# KiCad board RP2040_Fullsize.kicad_pcb (continued)
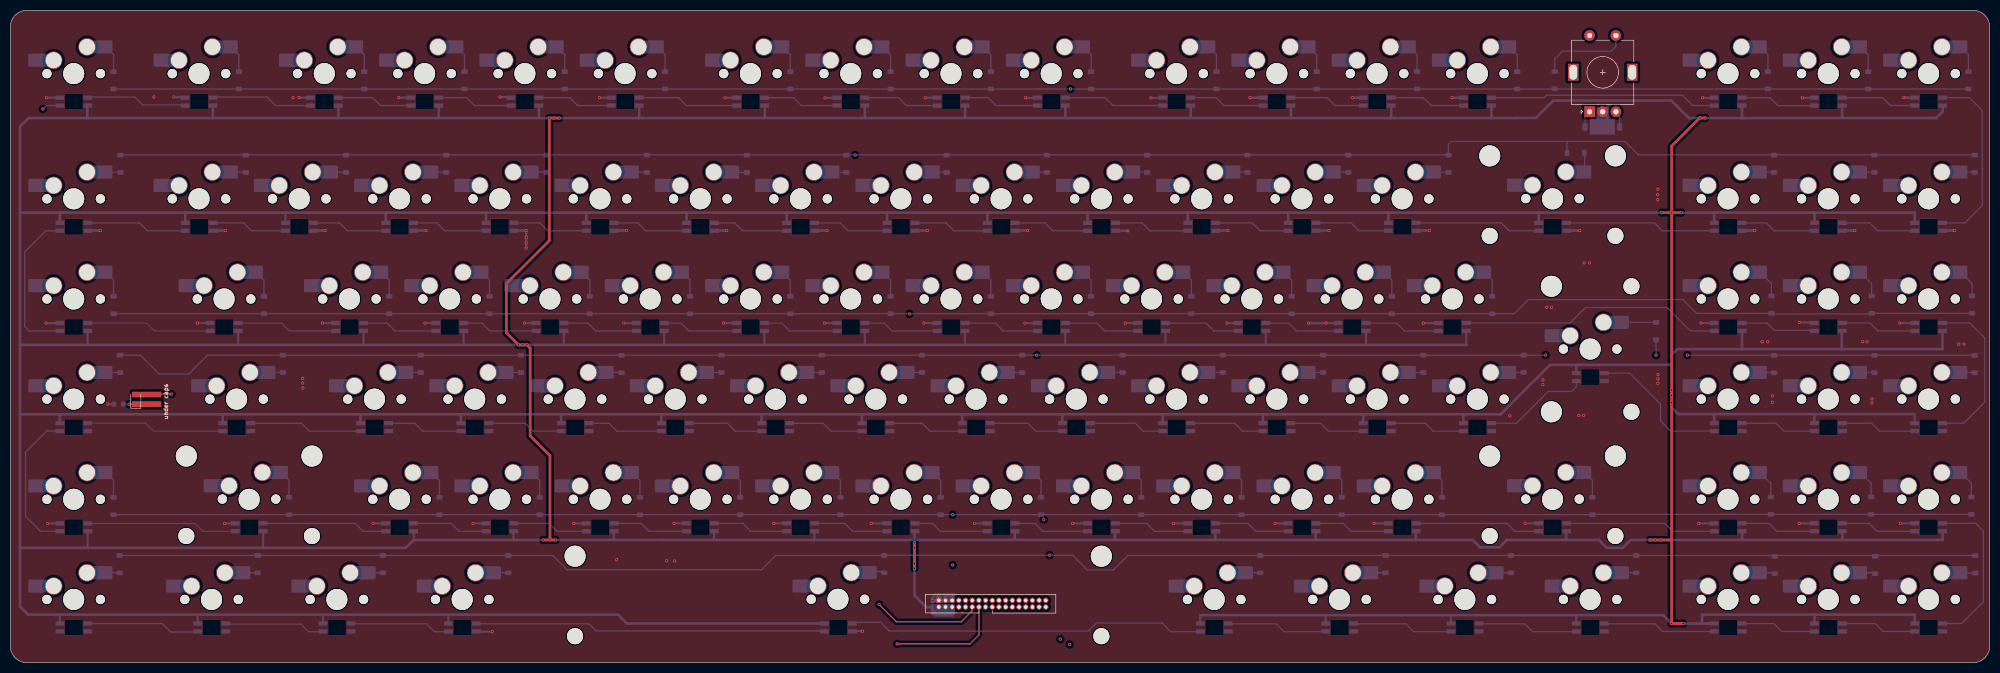
[diagram p0: board, top side]
## Routing (per net, layer and track width the routed paths; a pad name or vN(x,y) marks a point on that pad's centre or on a via; arc(x,y) is an arc through that point) (continued)
Net-(D4-A): length 5.3
  Bottom w0.25: D4.2 86.25,115.6 MX4.2
Net-(D5-A): length 5.3
  Bottom w0.25: MX5.2 105.3,115.6 D5.2
Net-(D6-A): length 5.3
  Bottom w0.25: D6.2 124.35,115.6 MX6.2
Net-(D7-A): length 5.3
  Bottom w0.25: D7.2 148.16,115.6 MX7.2
Net-(D8-A): length 5.3
  Bottom w0.25: MX8.2 167.21,115.6 D8.2
Net-(D9-A): length 5.3
  Bottom w0.25: D9.2 186.26,115.6 MX9.2
Net-(D10-A): length 5.3
  Bottom w0.25: D10.2 205.31,115.6 MX10.2
Net-(D11-A): length 5.3
  Bottom w0.25: MX11.2 229.12,115.6 D11.2
Net-(D12-A): length 5.3
  Bottom w0.25: D12.2 248.18,115.6 MX12.2
Net-(D13-A): length 5.3
  Bottom w0.25: 265.74,117.08 267.22,115.6 D13.2
Net-(D14-A): length 5.3
  Bottom w0.25: D14.2 286.27,115.6 MX14.2
Net-(D15-A): length 5.3
  Bottom w0.25: MX15.2 333.9,115.6 D15.2
Net-(D16-A): length 5.3
  Bottom w0.25: D16.2 352.95,115.6 MX16.2
Net-(D17-A): length 5.3
  Bottom w0.25: MX17.2 372,115.6 D17.2
Net-(D18-A): length 2.7
  Bottom w0.25: MX18.2 20.83,93.27
Net-(D19-A): length 2.7
  Bottom w0.25: MX19.2 44.57,93.27
Net-(D20-A): length 2.7
  Bottom w0.25: MX20.2 63.63,93.27
Net-(D21-A): length 2.7
  Bottom w0.25: MX21.2 82.68,93.27
Net-(D22-A): length 2.7
  Bottom w0.25: MX22.2 101.73,93.27
Net-(D23-A): length 2.7
  Bottom w0.25: MX23.2 120.78,93.27
Net-(D24-A): length 2.8
  Bottom w0.25: MX24.2 137.21,93.21 D24.2
Net-(D25-A): length 2.6
  Bottom w0.25: D25.2 156.26,93.21 MX25.2
Net-(D26-A): length 2.7
  Bottom w0.25: MX26.2 177.93,93.27
Net-(D27-A): length 2.7
  Bottom w0.25: MX27.2 196.98,93.27
Net-(D28-A): length 2.7
  Bottom w0.25: MX28.2 216.03,93.27
Net-(D29-A): length 2.7
  Bottom w0.25: MX29.2 235.08,93.27
Net-(D30-A): length 2.7
  Bottom w0.25: MX30.2 254.18,93.27
Net-(D31-A): length 2.7
  Bottom w0.25: MX31.2 273.18,93.27
Net-(D32-A): length 3.6
  Bottom w0.25: MX32.2 299.07,96.87 D32.2
Net-(D33-A): length 2.7
  Bottom w0.25: MX33.2 335.09,93.27
Net-(D34-A): length 2.7
  Bottom w0.25: MX34.2 354.14,93.27
Net-(D35-A): length 2.7
  Bottom w0.25: MX35.2 373.19,93.27
Net-(D36-A): length 5.3
  Bottom w0.25: MX36.2 19.57,72.73 19.57,69.51
Net-(D37-A): length 5.2
  Bottom w0.25: MX37.2 48.14,72.74 D37.2
Net-(D38-A): length 5.2
  Bottom w0.25: D38.2 71.96,72.74 MX38.2
Net-(D39-A): length 5.2
  Bottom w0.25: D39.2 91.01,72.74 MX39.2
Net-(D40-A): length 5.2
  Bottom w0.25: D40.2 110.06,72.74 MX40.2
Net-(D41-A): length 5.2
  Bottom w0.25: MX41.2 129.11,72.74 D41.2
Net-(D42-A): length 5.2
  Bottom w0.25: MX42.2 148.16,72.74 D42.2
Net-(D43-A): length 5.2
  Bottom w0.25: D43.2 167.21,72.74 MX43.2
Net-(D44-A): length 5.2
  Bottom w0.25: D44.2 186.26,72.74 MX44.2
Net-(D45-A): length 5.2
  Bottom w0.25: MX45.2 205.31,72.74 D45.2
Net-(D46-A): length 5.2
  Bottom w0.25: D46.2 224.36,72.74 MX46.2
Net-(D47-A): length 5.2
  Bottom w0.25: MX47.2 243.41,72.74 D47.2
Net-(D48-A): length 5.2
  Bottom w0.25: D48.2 262.46,72.74 MX48.2
Net-(D49-A): length 5.2
  Bottom w0.25: MX49.2 281.51,72.74 D49.2
Net-(D50-A): length 5.4
  Bottom w0.25: MX50.2 334.55,72.08 334.55,69.7
Net-(D51-A): length 5.5
  Bottom w0.25: MX51.2 353.6,72.08 353.6,69.6
Net-(D52-A): length 5.6
  Bottom w0.25: MX52.2 372.71,72.02 372.71,69.48
Net-(D53-A): length 2.7
  Bottom w0.25: MX53.2 20.78,55.17
Net-(D54-A): length 2.7
  Bottom w0.25: MX54.2 51.74,55.17
Net-(D55-A): length 2.7
  Bottom w0.25: MX55.2 77.93,55.17
Net-(D56-A): length 2.7
  Bottom w0.25: MX56.2 96.98,55.17
Net-(D57-A): length 2.7
  Bottom w0.25: MX57.2 116.03,55.17
Net-(D58-A): length 2.7
  Bottom w0.25: MX58.2 135.08,55.17
Net-(D59-A): length 2.7
  Bottom w0.25: MX59.2 154.13,55.17
Net-(D60-A): length 2.7
  Bottom w0.25: MX60.2 173.18,55.17
Net-(D61-A): length 2.7
  Bottom w0.25: MX61.2 192.23,55.17
Net-(D62-A): length 2.7
  Bottom w0.25: MX62.2 211.28,55.17
Net-(D63-A): length 2.7
  Bottom w0.25: MX63.2 230.33,55.17
Net-(D64-A): length 2.7
  Bottom w0.25: MX64.2 249.38,55.17
Net-(D65-A): length 2.7
  Bottom w0.25: 265.74,55.17 268.43,55.17
Net-(D66-A): length 2.7
  Bottom w0.25: MX66.2 287.48,55.17
Net-(D67-A): length 6.4
  Bottom w0.25: MX67.2 312.63,64.69 D67.2
Net-(D68-A): length 2.7
  Bottom w0.25: MX68.2 335.08,55.17
Net-(D69-A): length 2.7
  Bottom w0.25: MX69.2 354.16,55.17
Net-(D70-A): length 2.7
  Bottom w0.25: MX70.2 373.21,55.17
Net-(D71-A): length 5.4
  Bottom w0.25: 18.08,36.16 19.57,34.66 D71.2
Net-(D72-A): length 5.3
  Bottom w0.25: 51.43,36.12 52.91,34.63 D72.2
Net-(D73-A): length 5.3
  Bottom w0.25: MX73.2 81.49,34.63 D73.2
Net-(D74-A): length 5.3
  Bottom w0.25: D74.2 100.54,34.63 MX74.2
Net-(D75-A): length 5.3
  Bottom w0.25: D75.2 119.59,34.63 MX75.2
Net-(D76-A): length 5.3
  Bottom w0.25: D76.2 138.64,34.63 MX76.2
Net-(D77-A): length 5.3
  Bottom w0.25: D77.2 157.69,34.63 MX77.2
Net-(D78-A): length 5.3
  Bottom w0.25: MX78.2 176.74,34.63 D78.2
Net-(D79-A): length 5.3
  Bottom w0.25: MX79.2 195.79,34.63 D79.2
Net-(D80-A): length 5.3
  Bottom w0.25: MX80.2 214.84,34.63 D80.2
Net-(D81-A): length 5.3
  Bottom w0.25: MX81.2 233.89,34.63 D81.2
Net-(D82-A): length 5.3
  Bottom w0.25: D82.2 252.94,34.63 MX82.2
Net-(D83-A): length 5.4
  Bottom w0.25: D83.2 271.99,34.66 270.49,36.16
Net-(D84-A): length 5.3
  Bottom w0.25: D84.2 300.56,34.63 299.08,36.12
Net-(D85-A): length 5.5
  Bottom w0.25: MX85.2 334.45,34.08 D85.2
Net-(D86-A): length 5.5
  Bottom w0.25: D86.2 353.5,34.08 MX86.2
Net-(D87-A): length 5.8
  Bottom w0.25: MX87.2 372.55,34.08 D87.2 372.52,31.51 372.52,31.8
Net-(D88-A): length 2.7
  Bottom w0.25: MX88.2 20.77,17.07
Net-(D89-A): length 2.8
  Bottom w0.25: MX89.2 47.09,17.07
Net-(D90-A): length 2.8
  Bottom w0.25: MX90.2 70.9,17.07
Net-(D91-A): length 2.8
  Bottom w0.25: MX91.2 94.72,17.07
Net-(D92-A): length 2.7
  Bottom w0.25: 163.3,17.28 166,17.28
Net-(D93-A): length 2.7
  Bottom w0.25: MX93.2 237.44,17.07
Net-(D94-A): length 2.7
  Bottom w0.25: MX94.2 261.26,17.07
Net-(D95-A): length 2.7
  Bottom w0.25: MX95.2 285.07,17.07
Net-(D96-A): length 2.7
  Bottom w0.25: MX96.2 308.88,17.07
Net-(D97-A): length 2.7
  Bottom w0.25: MX97.2 335.13,17.07
Net-(D98-A): length 2.7
  Bottom w0.25: MX98.2 354.18,17.07
Net-(D99-A): length 2.8
  Bottom w0.25: MX99.2 370.58,17.01 D99.2
Net-(D100-A): length 17
  Bottom w0.25: ROTARY1.S1 305.01,117.18 304.1,116.27 294.91,116.27 293.38,114.74 D100.2
Net-(LED1-K): length 2.5
  Top w0.25: 23.94,49.13 22.53,49.13
  Bottom w0.25: 21.44,49.11 v1(22.52,49.11)
Net-(RGB1-DOUT): length 19.3
  Bottom w0.25: 33.26,106.05 25.07,106.05 23.57,107.55 14.59,107.55
Net-(RGB2-DOUT): length 19.2
  Bottom w0.25: 38.44,107.55 48.73,107.55 50.35,105.93 RGB3.4
Net-(RGB3-DOUT): length 14.4
  Bottom w0.25: RGB3.2 68.77,107.43 70.27,105.93 RGB4.4
Net-(RGB4-DOUT): length 14.4
  Bottom w0.25: 95.1,105.93 88.18,105.93 86.68,107.43 RGB4.2
Net-(RGB5-DOUT): length 14.4
  Bottom w0.25: RGB6.4 107.74,105.93 106.24,107.43 RGB5.2
Net-(RGB6-DOUT): length 19.1
  Bottom w0.25: RGB7.4 128.44,105.93 126.94,107.43 RGB6.2
Net-(RGB7-DOUT): length 14.4
  Bottom w0.25: RGB7.2 148.78,107.43 150.28,105.93 RGB8.4
Net-(RGB8-DOUT): length 14.4
  Bottom w0.25: RGB9.4 170.22,105.93 168.72,107.43 RGB8.2
Net-(RGB10-DIN): length 14.4
  Bottom w0.25: RGB10.4 187.24,105.93 185.74,107.43 RGB9.2
Net-(RGB10-DOUT): length 19.1
  Bottom w0.25: RGB10.2 207.96,107.43 209.46,105.93 RGB11.4
Net-(RGB11-DOUT): length 14.4
  Bottom w0.25: RGB11.2 229.05,107.43 230.55,105.93 RGB12.4
Net-(RGB12-DOUT): length 14.4
  Bottom w0.25: RGB12.2 250.13,107.43 251.63,105.93 RGB13.4
Net-(RGB13-DOUT): length 14.4
  Bottom w0.25: RGB14.4 269.92,105.93 268.41,107.43 268.41,107.43 RGB13.2
Net-(RGB14-DOUT): length 43.3
  Bottom w0.25: RGB15.4 319.62,105.93 317.66,107.89 291.86,107.89 291.4,107.43 RGB14.2
Net-(RGB15-DOUT): length 14.4
  Bottom w0.25: 328.97,107.4 334.3,107.4 335.8,105.9 342.72,105.9
Net-(RGB16-DOUT): length 14.4
  Bottom w0.25: RGB17.4 357.16,105.93 355.69,107.4 348.02,107.4
Net-(RGB17-DOUT): length 35.5
  Bottom w0.25: RGB17.2 372.18,107.43 374.65,104.95 374.65,86.95 371.3,83.6 367.1,83.6
Net-(RGB18-DIN): length 19.1
  Bottom w0.25: 14.68,83.6 24.5,83.6 26,82.1 33.19,82.1
Net-(RGB18-DOUT): length 29.6
  Bottom w0.25: 9.38,82.1 6.7,82.1 2.7,78.1 2.7,63.9 3.55,63.05 9.38,63.05
Net-(RGB19-DIN): length 14.4
  Bottom w0.25: 38.49,83.6 44.3,83.6 45.8,82.1 52.24,82.1
Net-(RGB20-DIN): length 14.4
  Bottom w0.25: 71.29,82.1 64,82.1 62.5,83.6 57.54,83.6
Net-(RGB21-DIN): length 14.4
  Bottom w0.25: 76.59,83.6 81,83.6 82.5,82.1 90.34,82.1
Net-(RGB22-DIN): length 14.4
  Bottom w0.25: 109.39,82.1 102.1,82.1 100.6,83.6 95.64,83.6
Net-(RGB23-DIN): length 14.4
  Bottom w0.25: 128.44,82.1 120.65,82.1 119.15,83.6 114.69,83.6
Net-(RGB24-DIN): length 14.4
  Bottom w0.25: 133.74,83.6 137.6,83.6 139.1,82.1 147.49,82.1
Net-(RGB25-DIN): length 14.4
  Bottom w0.25: 166.54,82.1 159.15,82.1 157.65,83.6 152.79,83.6
Net-(RGB26-DIN): length 14.4
  Bottom w0.25: 171.84,83.6 177.75,83.6 179.25,82.1 185.59,82.1
Net-(RGB27-DIN): length 14.4
  Bottom w0.25: 190.89,83.6 196.55,83.6 198.05,82.1 204.64,82.1
Net-(RGB28-DIN): length 14.4
  Bottom w0.25: 223.69,82.1 216.5,82.1 215,83.6 209.94,83.6
Net-(RGB29-DIN): length 14.4
  Bottom w0.25: 228.99,83.6 235.95,83.6 237.45,82.1 242.74,82.1
Net-(RGB30-DIN): length 14.4
  Bottom w0.25: 261.79,82.1 256.2,82.1 254.7,83.6 248.04,83.6
Net-(RGB31-DIN): length 23.9
  Bottom w0.25: 267.09,83.6 283.25,83.6 284.75,82.1 290.36,82.1
Net-(RGB32-DIN): length 28.7
  Bottom w0.25: 295.66,83.6 312.35,83.6 313.85,82.1 323.7,82.1
Net-(RGB33-DIN): length 14.4
  Bottom w0.25: 342.75,82.1 335.1,82.1 333.6,83.6 329,83.6
Net-(RGB34-DIN): length 14.4
  Bottom w0.25: 361.8,82.1 354.75,82.1 353.25,83.6 348.05,83.6
Net-(RGB36-DOUT): length 23.9
  Bottom w0.2: 37.95,63.05 27.35,63.05 25.85,64.55 14.68,64.55
Net-(RGB37-DOUT): length 19.1
  Bottom w0.25: 43.25,64.55 51.5,64.55 53,63.05 61.78,63.05
Net-(RGB38-DOUT): length 14.4
  Bottom w0.25: 80.81,63.05 73.05,63.05 71.55,64.55 67.08,64.55
Net-(RGB39-DOUT): length 14.4
  Bottom w0.25: 86.11,64.55 89.55,64.55 91.05,63.05 99.86,63.05
Net-(RGB40-DOUT): length 14.4
  Bottom w0.25: 118.91,63.05 111.2,63.05 109.7,64.55 105.16,64.55
Net-(RGB41-DOUT): length 14.4
  Bottom w0.25: 137.96,63.05 128.9,63.05 127.4,64.55 124.21,64.55
Net-(RGB42-DOUT): length 14.4
  Bottom w0.25: 143.26,64.55 146.5,64.55 148,63.05 157.01,63.05
Net-(RGB43-DOUT): length 14.4
  Bottom w0.25: 176.06,63.05 167.5,63.05 166,64.55 162.31,64.55
Net-(RGB44-DOUT): length 14.4
  Bottom w0.25: 181.36,64.55 187.1,64.55 188.6,63.05 195.11,63.05
Net-(RGB45-DOUT): length 14.4
  Bottom w0.25: 200.41,64.55 206.4,64.55 207.9,63.05 214.16,63.05
Net-(RGB46-DOUT): length 14.4
  Bottom w0.25: 219.46,64.55 227.15,64.55 228.65,63.05 233.21,63.05
Net-(RGB47-DOUT): length 14.4
  Bottom w0.25: 252.26,63.05 244.35,63.05 242.85,64.55 238.51,64.55
Net-(RGB48-DOUT): length 14.4
  Bottom w0.25: 257.56,64.55 263.35,64.55 264.85,63.05 271.31,63.05
Net-(RGB49-DOUT): length 50.2
  Bottom w0.25: RGB49.2 296.3,64.56 299.26,67.53 314.71,67.53 319.18,63.06 RGB50.4
Net-(RGB50-DOUT): length 14.1
  Bottom w0.25: 342.53,63.16 335.14,63.16 333.75,64.55 328.97,64.55
Net-(RGB51-DOUT): length 14.4
  Bottom w0.25: RGB51.2 353.32,64.56 354.82,63.06 RGB52.4
Net-(RGB52-DOUT): length 31
  Bottom w0.25: RGB70.4 371.09,45.51 375.09,49.52 375.09,61.71 372.24,64.56 RGB52.2
Net-(RGB53-DIN): length 26.3
  Bottom w0.2: 40.32,44 27.2,44 25.67,45.53 14.68,45.53
Net-(RGB53-DOUT): length 28.1
  Bottom w0.25: RGB53.2 6.88,44.01 2.86,39.99 2.86,27.8 5.69,24.96 RGB71.4
Net-(RGB54-DIN): length 21.5
  Bottom w0.25: 45.62,45.5 55.28,45.5 56.78,43.99 66.5,43.99
Net-(RGB55-DIN): length 14.4
  Bottom w0.25: 85.55,43.99 78.31,43.99 76.81,45.49 71.8,45.49
Net-(RGB56-DIN): length 14.4
  Bottom w0.25: 104.6,43.99 99.31,43.99 97.81,45.49 90.85,45.49
Net-(RGB57-DIN): length 14.4
  Bottom w0.25: 123.65,43.99 115.21,43.99 113.71,45.49 109.9,45.49
Net-(RGB58-DIN): length 14.4
  Bottom w0.25: 128.95,45.49 136.21,45.49 137.71,43.99 142.7,43.99
Net-(RGB59-DIN): length 14.4
  Bottom w0.25: 148,45.49 154.41,45.49 155.91,43.99 161.75,43.99
Net-(RGB60-DIN): length 14.4
  Bottom w0.25: 167.05,45.49 173.21,45.49 174.71,43.99 180.8,43.99
Net-(RGB61-DIN): length 14.4
  Bottom w0.25: 199.85,43.99 194.81,43.99 193.31,45.49 186.1,45.49
Net-(RGB62-DIN): length 14.4
  Bottom w0.25: 205.15,45.49 213.71,45.49 215.21,43.99 218.9,43.99
Net-(RGB63-DIN): length 14.4
  Bottom w0.25: 224.2,45.49 232.61,45.49 234.11,43.99 237.95,43.99
Net-(RGB64-DIN): length 14.4
  Bottom w0.25: 243.25,45.49 248.91,45.49 250.41,43.99 257,43.99
Net-(RGB65-DIN): length 14.4
  Bottom w0.25: 276.05,43.99 270.31,43.99 268.81,45.49 262.3,45.49
Net-(RGB66-DIN): length 20.1
  Bottom w0.25: RGB66.4 286.13,45.51 292.16,51.55 296.61,51.55 297.51,52.45 RGB67.2
Net-(RGB67-DIN): length 27.3
  Bottom w0.25: RGB68.2 315.45,44.01 313.5,45.96 313.5,49.14 307.6,55.04 RGB67.4
Net-(RGB68-DIN): length 14.3
  Bottom w0.25: 342.72,43.99 336.96,43.99 335.45,45.5 329,45.5
Net-(RGB69-DIN): length 14.4
  Bottom w0.25: 348.02,45.49 353.61,45.49 355.11,43.99 361.77,43.99
Net-(RGB71-DOUT): length 28.7
  Bottom w0.2: 14.65,26.44 35.06,26.44 36.55,24.95 42.7,24.95
Net-(RGB72-DOUT): length 23.9
  Bottom w0.25: 48,26.45 65.5,26.45 67,24.95 71.3,24.95
Net-(RGB73-DOUT): length 14.3
  Bottom w0.25: 76.6,26.45 83.75,26.45 85.25,24.95 90.25,24.95
Net-(RGB74-DOUT): length 14.4
  Bottom w0.25: 109.3,24.95 103.85,24.95 102.35,26.45 95.55,26.45
Net-(RGB75-DOUT): length 14.4
  Bottom w0.25: 128.35,24.95 121.3,24.95 119.8,26.45 114.6,26.45
Net-(RGB76-DOUT): length 14.4
  Bottom w0.25: 133.65,26.45 139.15,26.45 140.65,24.95 147.4,24.95
Net-(RGB77-DOUT): length 14.4
  Bottom w0.25: 166.45,24.95 160,24.95 158.5,26.45 152.7,26.45
Net-(RGB78-DOUT): length 14.4
  Bottom w0.25: 185.5,24.95 176.67,24.95 175.17,26.45 171.75,26.45
Net-(RGB79-DOUT): length 14.4
  Bottom w0.25: 190.8,26.45 194.65,26.45 196.15,24.95 204.55,24.95
Net-(RGB80-DOUT): length 14.4
  Bottom w0.25: 209.85,26.45 215.85,26.45 217.35,24.95 223.6,24.95
Net-(RGB81-DOUT): length 14.4
  Bottom w0.25: 228.9,26.45 235.1,26.45 236.6,24.95 242.65,24.95
Net-(RGB82-DOUT): length 14.4
  Bottom w0.25: 247.95,26.45 253.2,26.45 254.7,24.95 261.7,24.95
Net-(RGB83-DOUT): length 23.9
  Bottom w0.25: 290.28,24.95 285.85,24.95 284.35,26.45 267,26.45
Net-(RGB84-DOUT): length 28.7
  Bottom w0.25: 295.58,26.45 314.35,26.45 315.85,24.95 323.7,24.95
Net-(RGB85-DOUT): length 14.4
  Bottom w0.25: 342.75,24.95 335.6,24.95 334.1,26.45 329,26.45
Net-(RGB86-DOUT): length 14.4
  Bottom w0.25: 348.05,26.45 353.15,26.45 354.65,24.95 361.8,24.95
Net-(RGB87-DOUT): length 31.3
  Bottom w0.25: RGB99.4 370.71,7.41 374.84,11.54 374.84,25.01 373.38,26.46 RGB87.2
Net-(RGB88-DIN): length 21.6
  Bottom w0.25: 35.54,5.8 30.43,5.8 28.82,7.4 14.65,7.4
Net-(RGB89-DIN): length 19.1
  Bottom w0.25: 40.84,7.3 55.15,7.3 56.6,5.85 59.38,5.85
Net-(RGB90-DIN): length 19.1
  Bottom w0.25: 64.67,7.35 79.05,7.35 80.55,5.85 83.2,5.85
Net-(RGB91-DIN): length 66.5
  Bottom w0.25: 88.5,7.35 109.9,7.35 111.25,6 154.46,6
Net-(RGB92-DIN): length 67.7
  Bottom w0.25: 225.62,5.85 220.45,5.85 218.8,7.5 206.29,7.5 204.77,5.98 166.96,5.98 165.29,7.65 159.91,7.65
Net-(RGB93-DIN): length 19.1
  Bottom w0.25: 231.35,7.35 240.47,7.35 241.97,5.85 249.86,5.85
Net-(RGB94-DIN): length 19.1
  Bottom w0.25: 273.68,5.85 266.61,5.85 265.11,7.35 255.16,7.35
Net-(RGB95-DIN): length 19.1
  Bottom w0.25: 278.97,7.35 287.71,7.35 289.21,5.85 297.49,5.85
Net-(RGB96-DIN): length 21.5
  Bottom w0.25: 302.79,7.35 312.45,7.35 313.9,5.9 323.7,5.9
Net-(RGB97-DIN): length 14.4
  Bottom w0.25: 329,7.4 335,7.4 336.5,5.9 342.75,5.9
Net-(RGB98-DIN): length 14.4
  Bottom w0.25: 348.05,7.4 354.3,7.4 355.8,5.9 361.8,5.9

## Copper pours and planes (outline as drawn; the poured copper is in the pictures)
GND on Bottom (solid shape): 174.9,11.35 179.4,11.35 179.4,13.15 175.6,13.15 174.9,12.2
GND on Bottom (solid shape): 301.41,105.65 301.41,103.25 300.11,103.25 300.11,100.45 304.8,100.45 304.8,103.25 303.61,103.25 303.61,105.65
GND on Top, Bottom, In1.Cu, In2.Cu: 0,124 0,0 376,0 376,124
VBUS on Bottom (solid shape): 174.9,9.25 175.75,8.75 179,8.75 179.4,9.25 179.4,11 174.9,11
Caps on Top (solid shape): 28.58,51.44 28.58,50.49 23.13,50.49 23.13,51.42
Net-(LED1-K) on Top (solid shape): 28.6,49.6 28.6,48.65 23.15,48.65 23.15,49.58

## Text on the board
B.Silkscreen: Caps | VBUS | C0 | R_B | C1 | R_A | C2 | CAPS | RGB | C3 | C4 | R5 | C5 | R4 | C6 | R3 | C7 | R2 | C8 | R1 | C9 | R0 | C10 | C17 | C11 | C16 | C15 | C12 | C14 | C13 | GND | Michael O'Toole / Echo Basic Keyboard 2025 / EN017_BRD2 Rev1.1 | keyboard-layout-editor.com / Echo 014 New
F.Silkscreen: under caps
User.1: Make sure you can get Shift Keys in 2u | Echo ENR2
